# KiCad board universal_interface_adapter.kicad_pcb (continued)
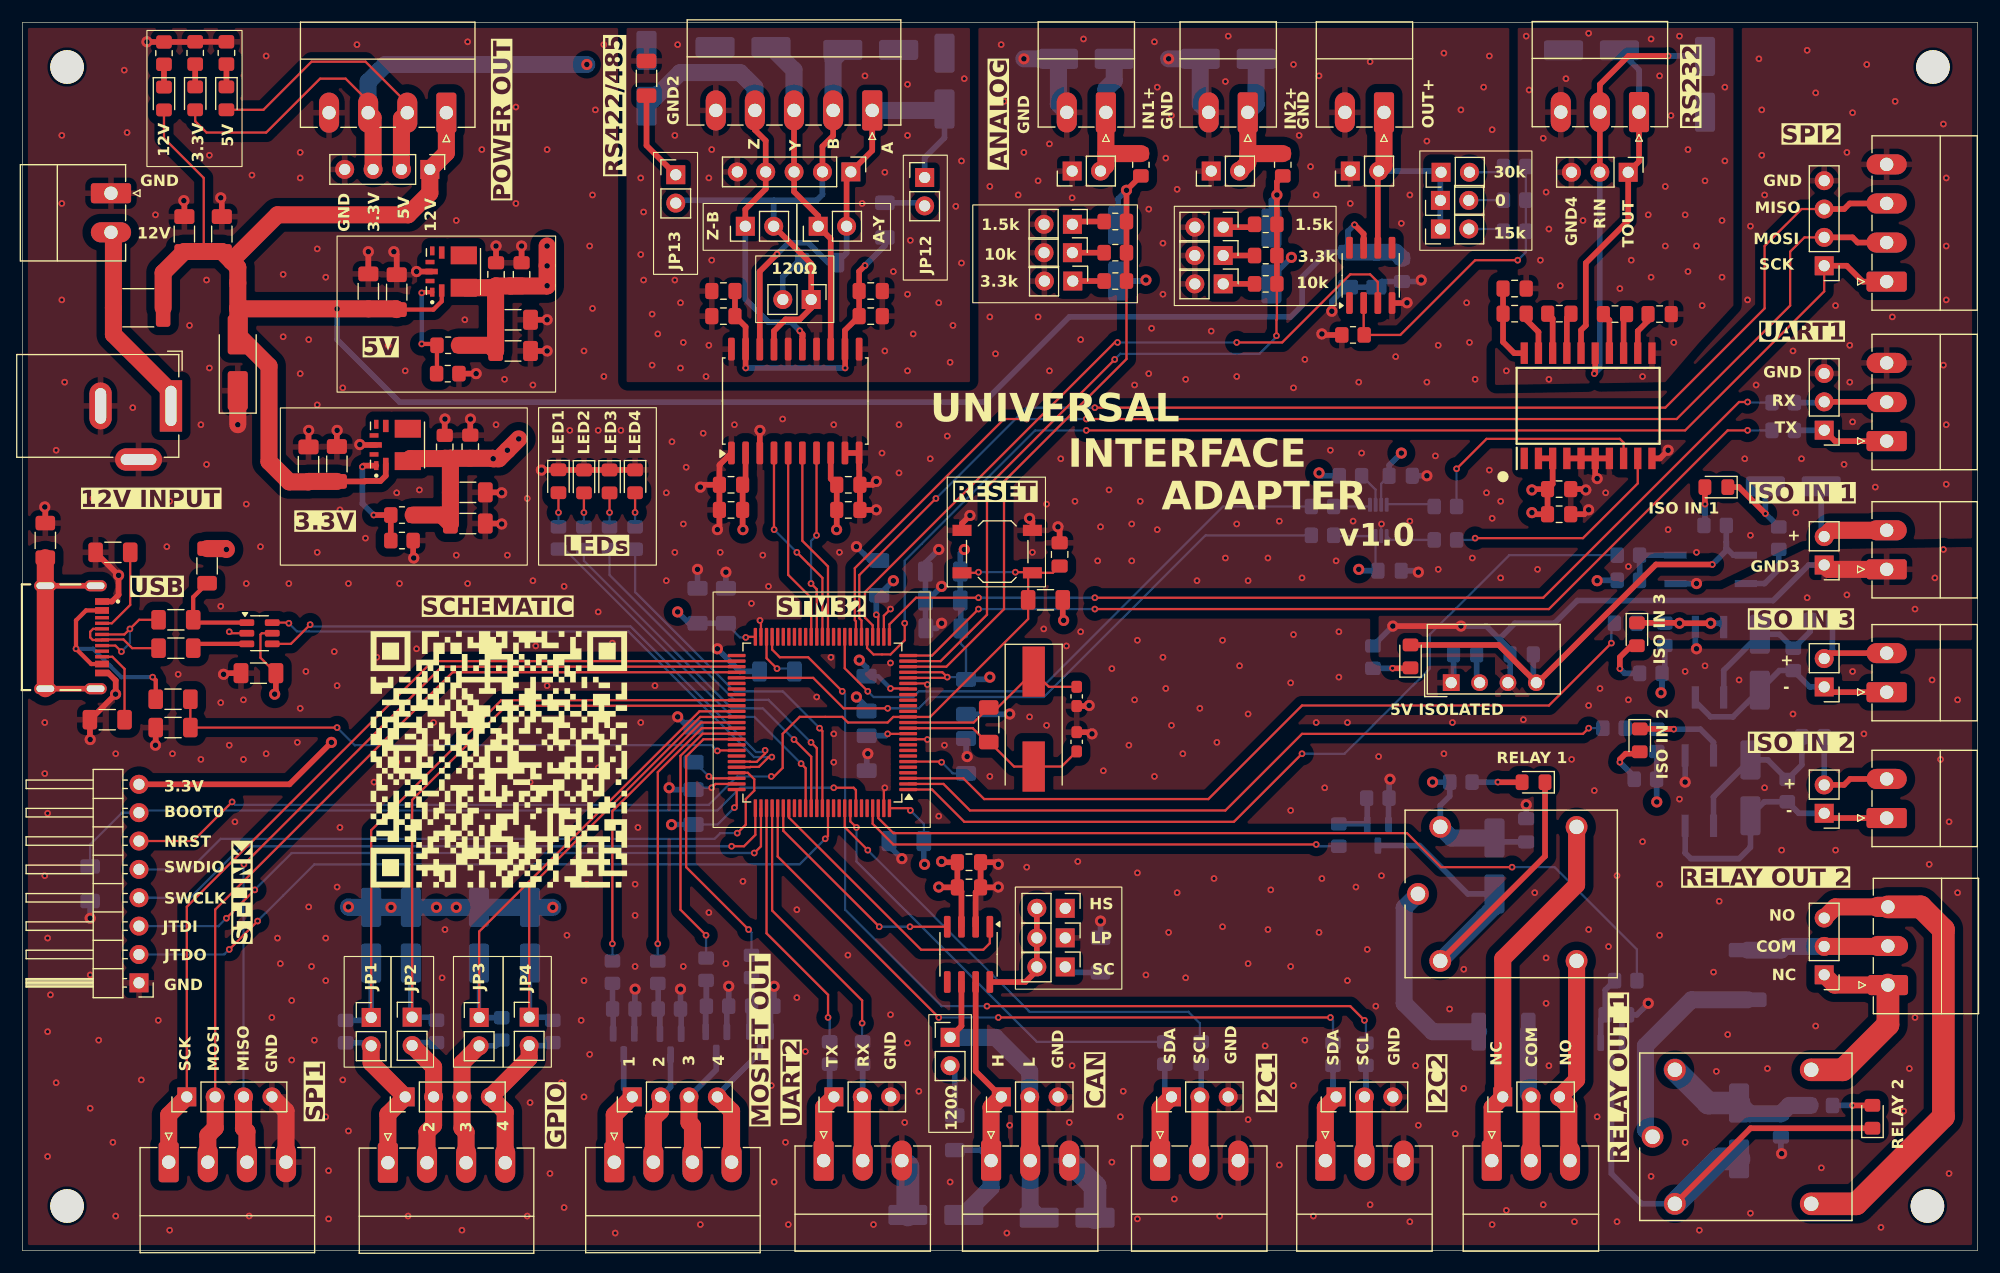
[diagram p0: board, top side]
## Routing (per net, layer and track width the routed paths; a pad name or vN(x,y) marks a point on that pad's centre or on a via; arc(x,y) is an arc through that point) (continued)
GND2:
  vias: v1(55.35,96.07) v1(55.35,89.21) v1(55.6,93.02) v1(55.6,86.92) v1(56.36,83.87) v1(56.36,79.3) v1(56.87,82.1) v1(58.4,99.88) v1(58.4,86.92) v1(58.65,108) v1(58.9,84.89) v1(58.9,79.05) v1(59.16,81.33) v1(61.19,78.29) v1(61.44,96.07) v1(61.44,81.08) v1(61.7,98.61) v1(61.7,88.7) v1(75.16,93.78) v1(75.41,105.21) v1(77.19,96.57) v1(77.19,80.57) v1(77.95,87.68) v1(79.22,104.45) v1(79.22,99.88) v1(79.22,85.65) v1(79.22,78.79) v1(79.48,90.48) v1(79.73,82.1) v1(82.02,84.89) v1(83.03,79.56) v1(83.29,82.86) v1(83.54,93.53) v1(84.05,97.59) v1(84.05,88.45) v1(84.3,104.96)
GND3: length 54.5
  Top w0.508: v2(128.75,55.93) v2(122.66,55.93)
  Top w1.524: J12.1 161.66,61.01 J11.1
  Bottom w0.508: U12.3 133.15,51.06 C58.2 133.15,53.82 132.18,54.79 ; 132.18,54.79 133.58,56.19 137.14,56.19 139.17,58.22 156.69,58.22 159.88,61.41 J11.1 ; 132.18,54.79 131.04,55.93 v2(128.75,55.93) ; v2(122.66,55.93) R77.2
  vias: v1(159.74,58.47) v1(163.3,58.73) v1(169.39,57.46) v1(171.17,60.25) v1(171.93,62.79)
GND4:
  vias: v1(132.82,78.79) v1(134.6,108.77) v1(134.85,103.94) v1(135.87,88.7) v1(136.12,99.62) v1(136.37,94.8) v1(136.63,91.49) v1(136.63,78.03) v1(137.64,86.41) v1(138.15,104.96) v1(139.68,92.26) v1(140.18,109.02) v1(142.98,86.16) v1(143.99,88.7) v1(145.01,78.29) v1(145.52,92.76) v1(145.77,108.51) v1(145.77,87.18) v1(146.53,105.21) v1(147.04,95.3) v1(147.04,89.97) v1(147.55,101.65) v1(147.8,81.33) v1(148.31,108.77) v1(148.82,92.76) v1(149.07,98.61) v1(149.07,87.68) v1(149.84,89.97) v1(150.34,84.64) v1(150.6,95.81) v1(152.12,92.26) v1(152.12,87.18) v1(152.38,104.19) v1(152.38,97.59)
/Analog_in_1: length 58
  Top w0.203: U2.23 82.7,52.3 87.86,57.46 87.86,68.89 98.82,79.85 R66.2
  Top w0.508: R66.2 R68.2 R63.2 v2(98.82,94.96) R62.1
  Bottom w0.508: v2(98.82,94.96) 98.07,94.21 D29.2
/Analog_in_2: length 69.5
  Top w0.203: R69.2 112.28,83.4 112.24,83.37 v1(112.24,81.93) ; v1(97.77,79.81) 86.34,68.38 86.34,56.95 82.18,52.8 U2.24
  Top w0.508: R69.2 R67.2 R65.2 v2(112.28,94.54) 112.28,95.72 R64.1
  Bottom w0.203: v1(112.24,81.93) 112.24,81.84 110.72,80.32 98.27,80.32 v1(97.77,79.81)
  Bottom w0.508: D30.2 111.79,94.05 v2(112.28,94.54)
/Analog_out_1: length 64.1
  Top w0.203: U2.29 76.1,56.01 75.41,56.7 75.41,58.98 97.77,81.33 v1(98.02,81.33) ; v1(108.69,81.33) 112.75,81.33 118.85,87.43 120.63,87.43 121.32,86.74 U9.3
  Bottom w0.203: v1(98.02,81.33) v1(108.69,81.33)
/BOOT0: length 74.3
  Top w0.203: U2.94 74.6,41.25 74.4,41.46 v1(72.62,41.46)
  Bottom w0.203: R9.2 6.06,36.37 8.92,39.22 J1.7 10.64,39.42 62.21,39.42 64.24,41.46 v1(72.62,41.46)
/CAN/CAN_H: length 26.8
  Top w0.508: U6.7 85.32,16.07 J18.1
  Top w1.524: J17.1 86.7,12.85 J18.1
  Bottom w0.508: J17.1 85.76,9 R49.1
  Bottom w1.524: J17.1 86.7,5.65 D19.1
/CAN/CAN_L: length 27.2
  Top w0.508: U6.6 84.05,20.12 JP8.1
  Top w1.524: 90.16,13.77 90.16,8.11 J17.2
  Bottom w1.524: 90.16,13.77 90.16,16.04 87.1,19.1 JP8.1 ; D20.2 90.2,3.75 J17.2
/CAN_D: length 25.4
  Top w0.203: U6.1 86.59,27.54 86,26.95 80.44,26.95 68.6,38.79 U2.82
/CAN_R: length 20.3
  Top w0.203: v1(79.44,29.01) U6.4 ; v1(76.69,29.01) 68.1,37.6 U2.81
  Bottom w0.203: v1(76.69,29.01) v1(79.44,29.01)
/Crystal+: length 17.1
  Top w0.203: C1.2 93.01,43.35 Y1.2 88.76,43.35 86.56,45.55 R6.1 86.31,45.55 85.07,46.79 80.24,46.79 80.23,46.8 U2.12
/Crystal-: length 17.5
  Top w0.203: U2.13 85.14,47.3 R6.2 87.31,48.65 Y1.1 91.87,50.5 C2.2
/DN: length 8.2
  Top w0.203: R3.2 9.83,53.96 9.05,54.73 7.18,54.73 J2.A7 6.3,54.68 6.07,54.92 6.07,55.43 6.33,55.68 J2.B7
/DP: length 9.9
  Top w0.203: R2.1 10.45,56.5 v1(9.63,55.68) 9.13,55.18 J2.A6 ; J2.B6 8.33,54.18 v1(8.87,53.65)
  Bottom w0.203: v1(8.87,53.65) 9.63,54.41 v1(9.63,55.68)
/GPIO + LED/GPIO_1_CONN: length 14.8
  Top w1.524: J15.1 32.71,12.22 J16.1 31.22,16.82 JP1.2
  Bottom w0.508: R40.1 30.95,18.62 JP1.2
/GPIO + LED/GPIO_2_CONN: length 13.8
  Top w1.524: J15.2 36.21,10.64 36.81,11.23 J16.2 36.81,16.45 JP2.2
  Bottom w0.508: R41.1 35.15,18.64 JP2.2
/GPIO + LED/GPIO_3_CONN: length 13.5
  Top w1.524: JP3.2 39.35,16.8 J16.3 39.35,10.98 39.71,10.61 J15.3
  Bottom w0.508: R44.1 42.38,18.34 JP3.2
/GPIO + LED/GPIO_4_CONN: length 14.7
  Top w1.524: JP4.2 45.36,17.24 J16.4 43.21,12.44 J15.4
  Bottom w0.508: JP4.2 47.21,18.37 R45.1
/GPIO + LED/MOS_OUT_1: length 10.6
  Top w1.524: J14.1 52.98,12.16 J13.1
  Bottom w0.508: Q3.3 53.82,14.53 J14.1
/GPIO + LED/MOS_OUT_2: length 10.3
  Top w1.524: J14.2 57.13,12.5 56.48,11.85 J13.2
  Bottom w0.508: Q4.3 58.01,14.66 J14.2
/GPIO + LED/MOS_OUT_3: length 10.9
  Top w1.524: J14.3 59.67,11.48 59.98,11.17 J13.3
  Bottom w0.508: Q5.3 62.1,16.21 J14.3
/GPIO + LED/MOS_OUT_4: length 11.9
  Top w1.524: J14.4 63.48,12.5 J13.4
  Bottom w0.508: Q6.3 62.21,13.94 J14.4
/GPIO_1: length 61.6
  Top w0.203: U2.59 42.87,49.3 31.22,37.65 JP1.1
  Bottom w0.508: R40.2 30.95,20.62 JP1.1 D11.2
/GPIO_2: length 59.2
  Top w0.203: JP2.1 34.88,40.37 43.31,48.8 U2.60
  Bottom w0.508: D12.2 34.77,21.02 JP2.1 36.79,20.91 R41.2
/GPIO_3: length 45.8
  Top w0.203: U2.61 60.6,48.3 40.88,28.58 JP3.1
  Bottom w0.381: D14.2 40.87,20.9 JP3.1
  Bottom w0.508: JP3.1 40.9,20.87 R44.2
/GPIO_4: length 43.6
  Top w0.203: U2.62 60.67,47.8 45.36,32.48 JP4.1
  Bottom w0.381: JP4.1 45.44,20.99 D15.2
  Bottom w0.508: R45.2 47.2,20.91 JP4.1
/I2C1_SCL: length 42.5
  Top w0.2: v1(75.67,35.87) 73.6,37.93 U2.92
  Bottom w0.2: v1(75.67,35.87) 90.15,21.39 104.37,21.39 105.39,20.37
  Bottom w0.203: R84.2 105.39,18.82 105.39,20.37
/I2C1_SDA: length 39.3
  Top w0.2: v1(74.65,37.9) 74.1,38.45 U2.93
  Bottom w0.2: v1(74.65,37.9) 74.65,34.85 90.8,18.7 R83.2
/I2C2_SCL: length 81.3
  Top w0.203: v1(120.12,20.63) 118.85,21.9 v1(86.34,21.9) ; v1(73.38,50.09) 70.33,53.14 67.79,53.14 67.1,53.83 U2.47
  Bottom w0.203: v1(73.38,50.09) 73.64,49.84 73.64,30.53 82.27,21.9 v1(86.34,21.9) ; R86.2 120.25,20.49 v1(120.12,20.63)
/I2C2_SDA: length 62.1
  Top w0.203: v1(82.02,20.88) 67.6,35.3 U2.80 ; v1(87.35,20.88) v1(117.07,20.88)
  Bottom w0.203: v1(117.07,20.88) 117.3,20.65 R85.2 ; v1(82.02,20.88) v1(87.35,20.88)
/Isolated_input_1: length 76.3
  Top w0.203: v1(114.53,44.5) 108.43,38.41 84.3,38.41 81.41,41.3 U2.1
  Bottom w0.203: R31.1 133.07,62.28 125.96,55.17 125.96,52.12 118.34,44.5 v1(114.53,44.5)
/Isolated_input_2: length 66.2
  Top w0.203: v1(140.18,46.79) 139.68,46.28 114.53,46.28 107.67,39.42 84.81,39.42 82.44,41.8 U2.2
  Bottom w0.203: v1(140.18,46.79) R26.1
/Isolated_input_3: length 71.4
  Top w0.203: U2.3 84.22,42.3 86.08,40.44 106.15,40.44 114.53,48.82 136.63,48.82 v1(142.22,54.41)
  Bottom w0.203: R27.1 142.22,55.92 v1(142.22,54.41)
/JTDI: length 62
  Top w0.203: v1(65.51,35.61) 66.1,36.21 U2.77 ; v1(18.26,29.77) v1(20.8,32.31)
  Bottom w0.203: v1(20.8,32.31) 24.11,35.61 v1(65.51,35.61) ; v1(18.26,29.77) 17.56,29.06 J1.3
/JTDO: length 68.6
  Top w0.203: v1(71.86,36.88) 72.1,37.13 U2.89 ; v1(21.06,29.52) v1(18.52,26.98)
  Bottom w0.203: J1.2 18.07,26.52 v1(18.52,26.98) ; v1(71.86,36.88) 69.57,34.6 26.14,34.6 v1(21.06,29.52)
/LED_1: length 33.8
  Top w0.203: v1(69.7,43.61) 70.1,43.21 U2.85
  Bottom w0.203: v1(69.7,43.61) 65.51,47.81 63.53,47.81 48.51,62.83 R42.2
/LED_2: length 33.3
  Top w0.203: v1(69.06,45.77) 70.6,44.23 U2.86
  Bottom w0.203: R43.2 50.26,61.78 63.48,48.57 66.27,48.57 v1(69.06,45.77)
/LED_3: length 32.7
  Top w0.203: v1(70.59,45.52) 71.1,45 U2.87
  Bottom w0.203: R46.2 52.55,60.51 63.73,49.33 66.78,49.33 v1(70.59,45.52)
/LED_4: length 32.7
  Top w0.203: U2.88 71.6,46.54 v1(71.35,46.79)
  Bottom w0.203: R47.2 54.84,58.98 63.73,50.09 68.05,50.09 v1(71.35,46.79)
/MOSFET_OUT_1: length 27.8
  Top w0.203: v1(52.81,27.49) 52.81,39.36 60.75,47.3 U2.63
  Bottom w0.203: v1(52.81,27.49) R32.1
/MOSFET_OUT_2: length 25.6
  Top w0.203: v1(56.87,27.49) 56.87,42.85 60.82,46.8 U2.64
  Bottom w0.203: v1(56.87,27.49) R33.1
/MOSFET_OUT_3: length 24.9
  Top w0.203: U2.65 60.89,46.3 58.9,44.31 58.9,30.53 v1(61.19,28.25)
  Bottom w0.203: v1(61.19,28.25) R34.1
/MOSFET_OUT_4: length 25.4
  Top w0.203: U2.66 60.96,45.8 59.41,44.25 59.41,34.34 v1(65,28.76)
  Bottom w0.203: v1(65,28.76) 65.25,28.5 R35.1
/NRST: length 103.6
  Top w0.2: SW1.1 90.02,60.32 R8.1 90.02,56.57 81.25,47.8 U2.14 77.95,47.8 77.45,47.3 73.89,47.3 73.38,47.81 69.57,47.81 68.05,46.28 68.05,43.23 67.29,42.47 v1(67.03,42.47) ; SW1.1 92.23,60.7 C8.2 ; SW1.1 90.34,60.76 v1(88.88,60.76) ; v1(18.77,40.19) 15.27,36.68 J1.6 ; SW1.1 85.52,60.7 v1(85.57,60.76)
  Bottom w0.2: v1(85.57,60.76) v1(88.88,60.76) ; v1(67.03,42.47) 63.98,42.47 61.44,39.93 19.03,39.93 v1(18.77,40.19)
/RELAY_OUT_1: length 43.9
  Top w0.2: v1(115.8,36.38) 77.95,36.38 76.1,38.23 U2.97
  Bottom w0.2: v1(115.8,36.38) 115.96,36.22 R12.1
/RELAY_OUT_2: length 77
  Top w0.2: v1(133.33,34.34) 126.98,34.34 123.93,37.39 77.95,37.39 76.6,38.74 U2.98
  Bottom w0.2: v1(133.33,34.34) 137.14,34.34 144.5,26.98 R13.1
  Bottom w0.203: 144.5,24.69 R13.1
/RS232_RxD: length 52.7
  Top w0.2: U2.34 73.6,52.16 v1(75.67,50.09)
  Bottom w0.2: R50.2 107.46,66.65 90.91,50.09 80.24,50.09 79.73,49.58 76.18,49.58 v1(75.67,50.09)
/RS232_TxD: length 59
  Top w0.2: U2.55 70.78,51.3 73.51,48.57 v1(77.45,48.57)
  Bottom w0.2: R51.1 105.89,64.06 91.42,49.58 81.26,49.58 80.24,48.57 v1(77.45,48.57)
/RS422 + RS485 + RS232/A: length 44
  Top w0.508: JP10.2 73.77,96.23 J22.1 76.06,98.52 J20.1 ; U8.18 66,87.69 v1(67.55,89.24)
  Bottom w0.508: v1(67.55,89.24) 68.56,90.26 70.34,90.26 72.12,88.48 72.91,88.48 73.77,89.34 JP10.2 ; JP12.1 80.75,97.88 82.53,99.65 D23.2
  Bottom w1.524: J20.1 82.41,102.11 D23.2
/RS422 + RS485 + RS232/B: length 44
  Top w0.508: J20.2 72.56,99.85 71.61,98.89 J22.2 ; U8.17 67.27,82.36 68.31,83.4 69.58,83.4 70.6,84.42 JP11.1 70.6,88.38 JP9.2
  Bottom w0.508: J22.2 71.61,94.57 71.1,94.07 67.29,94.07 ; 67.29,94.07 67.25,94.02 JP9.2 ; 67.29,94.07 58.73,94.07 JP13.2
  Bottom w1.524: D24.2 72.56,106.66 J20.2
/RS422 + RS485 + RS232/RIN: length 38.5
  Top w0.508: v1(147.3,106.99) 143.74,106.99 141.19,104.44 J19.2 141.19,96.58 J21.2 ; v1(140.69,78.54) 140.77,78.62 IC1.15
  Bottom w0.508: v1(147.3,106.99) 150.56,106.99 D25.2 ; v1(140.69,78.54) 141.19,79.03 J21.2
/RS422 + RS485 + RS232/TOUT: length 30
  Top w0.508: J19.1 144.69,97.54 J21.1 143.72,92.24 139.93,88.45 139.93,82.86 139.5,82.43 IC1.16
  Bottom w0.508: D26.2 144.69,105.74 J19.1
/RS422 + RS485 + RS232/Y: length 29.3
  Top w0.508: U8.13 72.35,90.62 JP10.1 71.23,92.67 69.07,94.83 J22.3 69.06,96.61 J20.3
  Bottom w1.524: D21.2 69.06,105.72 J20.3
/RS422 + RS485 + RS232/Z: length 39.4
  Top w0.508: v1(69.58,82.38) 69.58,82.34 69.83,82.08 69.83,81.87 69.81,81.85 U8.15 ; JP9.1 64.71,93.26 66.53,95.08 J22.4 66.53,99.4 65.56,100.37 J20.4
  Bottom w0.508: JP9.1 64.71,85.22 66.78,83.14 68.82,83.14 v1(69.58,82.38)
  Bottom w1.524: J20.4 65.56,104.18 64.25,105.5 58.87,105.5 D22.2
/RS485_DE: length 17.4
  Top w0.203: U8.6 69.81,63.57 72.1,61.28 U2.37
/RS485_RE: length 17.3
  Top w0.203: U2.40 70.6,58.46 68.54,60.52 U8.5
/RS485_RxD: length 18.3
  Top w0.203: U8.4 67.27,64.58 v1(67.29,64.57) ; v1(69.32,62.54) 71.6,60.25 U2.38
  Bottom w0.203: v1(69.32,62.54) v1(67.29,64.57)
/RS485_TxD: length 16.9
  Top w0.203: v1(70.59,59.74) 71.1,59.24 71.1,58.73 71.1,58.72 U2.39 ; v1(71.08,64.06) U8.7
  Bottom w0.203: v1(70.59,59.74) 70.59,63.55 71.08,64.05 v1(71.08,64.06)
/SPI1_MISO: length 78.2
  Top w0.203: U2.53 37.53,52.3 v1(19.83,34.6)
  Top w1.524: J39.3 19.8,10.99 19.79,10.98 20.1,10.67 J33.3
  Bottom w0.203: J39.3 19.8,34.56 v1(19.83,34.6)
/SPI1_MOSI: length 78.4
  Top w0.203: J39.2 17.26,30.54 38.51,51.8 U2.54
  Top w1.524: J33.2 16.6,10.33 17.26,10.99 J39.2
/SPI1_SCK: length 81.9
  Top w0.203: J39.1 14.72,30.8 36.72,52.8 U2.52
  Top w1.524: J33.1 13.1,12.15 J39.1
/SPI2_MISO: length 114.6
  Top w0.2: J40.3 159.24,93.28 155.93,89.97 155.93,84.38 147.04,75.49 v1(95.99,75.49) ; U2.31 75.1,56.44 74.91,56.63 74.91,60.51 v1(81.76,67.36)
  Top w0.508: J34.3 163.55,93.78 163.05,93.28 J40.3
  Bottom w0.2: v1(95.99,75.49) 89.89,75.49 v1(81.76,67.36)
/SPI2_MOSI: length 113.8
  Top w0.2: v1(89.89,74.48) 87.86,74.48 74.5,61.12 74.5,56.47 74.6,56.37 U2.32 ; v1(95.23,74.48) 148.06,74.48 158.22,84.64 158.22,89.46 159.5,90.74 J40.2
  Top w0.508: J34.2 164.26,90.28 163.8,90.74 J40.2
  Bottom w0.2: v1(89.89,74.48) v1(95.23,74.48)
/SPI2_SCK: length 113
  Top w0.2: v1(95.23,73.46) 148.82,73.46 161.27,85.91 J40.1 ; v1(78.97,56.19) 78.97,54.66 77.7,53.39 76.18,53.39 75.6,53.97 U2.30
  Top w0.508: J40.1 163.29,88.2 164.71,86.78 J34.1
  Bottom w0.2: v1(78.97,56.19) 78.97,61.78 90.65,73.46 v1(95.23,73.46)
/SWCLK: length 59.9
  Top w0.203: v1(63.48,36.21) 64.59,36.21 65.6,37.23 U2.76
  Bottom w0.203: J1.4 15.02,31.6 19.63,36.21 v1(63.48,36.21)
/SWDIO: length 62.2
  Top w0.203: U2.72 64.93,42.8 65.51,42.22 65.51,41.2 64.75,40.44 64.75,38.15 v1(63.98,37.39)
  Bottom w0.203: v1(63.98,37.39) 62.46,37.39 61.95,36.88 17.76,36.88 15.02,34.14 J1.5
/UART1_RX: length 88.4
  Top w0.203: v1(95.99,58.47) 136.12,58.47 153.65,76 v1(154.41,76) ; U2.26 77.6,56.09 79.99,58.47 v1(85.57,58.47)
  Bottom w0.203: R80.2 154.46,75.94 v1(154.41,76) ; v1(95.99,58.47) v1(85.57,58.47)
/UART1_TX: length 85.7
  Top w0.203: v1(85.57,57.46) 81.41,53.3 U2.25 ; v1(154.41,73.46) 152.63,73.46 136.63,57.46 v1(95.99,57.46)
  Bottom w0.203: v1(154.41,73.46) R79.2 ; v1(95.99,57.46) v1(85.57,57.46)
/UART2_RX: length 24.3
  Top w0.203: U2.79 67.1,30.46 75.16,22.41 v1(75.16,20.37)
  Bottom w0.203: R82.2 75.16,18.74 v1(75.16,20.37)
/UART2_TX: length 23.3
  Top w0.203: U2.78 66.6,28.42 72.11,22.91 v1(72.11,20.88)
  Bottom w0.203: v1(72.11,20.88) 72.25,20.74 R81.2
/USB_DN: length 5
  Top w0.381: R3.1 15.68,54.34 U1.3
/USB_DP: length 8.7
  Top w0.381: 16.53,59.77 15.29,58.53 R2.2 15.54,56.24 U1.1
/USB_uC_DN: length 53
  Top w0.2: U2.70 65.13,43.8 65.15,43.77 65.73,43.77 66.48,44.52 v1(66.48,44.8)
  Top w0.203: U1.4 24.04,54.34 25.63,55.93 25.63,56.19 v1(25.76,56.06)
  Bottom w0.2: v1(66.48,44.8) 66.33,44.65 65.68,44.65 54.43,55.9 25.91,55.9 v1(25.76,56.06)
/USB_uC_DP: length 53.2
  Top w0.2: U2.71 65.13,43.3 65.15,43.32 65.92,43.32 66.8,44.2 v1(67.08,44.2)
  Top w0.203: v1(23.85,56.19) 23.8,56.24 U1.6
  Bottom w0.2: 25.63,55.45 54.24,55.45 65.49,44.2 v1(67.08,44.2)
  Bottom w0.203: v1(23.85,56.19) 24.59,55.45 25.63,55.45
V_RS485: length 29.4
  Top w0.508: v1(75.42,88.22) 74.89,87.69 C33.1 C31.1 73.62,82.42 U8.12 73.64,80.72 v1(73.64,79.05) ; C34.1 C32.1 64.73,82.74 U8.19 64.73,79.06 v1(64.75,79.05)
  Bottom w0.508: v1(75.42,88.22) 77.2,90 R55.1 ; v1(64.75,79.05) v1(73.64,79.05)
V_USB: length 18.1
  Top w0.381: J2.A4_B9 5.7,57.33 4.8,56.44 v1(4.8,53.9) 6.17,52.53 J2.B4_A9 ; v1(11.66,51.36) 11.94,51.09 R10.1
  Bottom w0.381: v1(11.66,51.36) 8.87,51.36 6.33,53.9 v1(4.8,53.9)
Net-(D1-A): length 4.5
  Top w0.508: v1(132.06,41.96) 132.07,41.95 D1.2
  Bottom w0.508: v1(132.06,41.96) R14.1
Net-(D1-K): length 40.1
  Top w0.508: D1.1 136.28,35.32 K1.C2
  Bottom w0.508: Q1.3 125.04,36.28 129.37,31.95 D3.2
  Bottom w1.524: D3.2 131.75,30.8 K1.C2
Net-(D2-A): length 3.6
  Top w0.508: D2.2 165.57,13.01 v1(163.81,13.01)
  Bottom w0.508: R15.1 v1(163.81,13.01)
Net-(D2-K): length 44.5
  Top w0.508: K2.C2 154.67,10.97 D2.1
  Bottom w0.508: Q2.3 142.22,6.91 144.93,4.2 K2.C2
  Bottom w2.032: D4.2 151.93,8.22 K2.C2
Net-(D5-A): length 25.1
  Top w0.508: J9.1 161.69,38.74 J7.1
  Bottom w0.508: U3.2 148.82,35.61 149.33,35.11 153.65,35.11 154.66,36.12 D5.2 155.91,40.2 R20.1 159,39.17 J7.1
Net-(D5-K): length 15.7
  Bottom w0.508: R18.2 159.27,43.5 R20.2 156.22,43.95 D5.1 151.36,40.65 U3.1
Net-(D6-A): length 20.6
  Top w0.508: J10.1 161.74,50.01 J8.1
  Bottom w0.508: J8.1 159.97,50.48 R21.1 157.25,51.95 D6.2 153.11,47.81 151.11,47.81 149.73,49.18 U4.2
Net-(D6-K): length 13.6
  Bottom w0.508: U4.1 152.27,51.97 D6.1 157.25,55.2 R21.2 158.52,53.95 160,55.43 R19.2
Net-(D7-A): length 4.4
  Top w0.508: v1(142.98,43.74) 142.98,44 143.49,44.5 144.58,44.5 D7.2
  Bottom w0.508: v1(142.98,43.74) 144.26,42.46 R24.1
Net-(D7-K): length 12.7
  Top w0.508: D7.1 147.78,46.72 v1(147.8,46.7)
  Bottom w0.508: R26.2 146.19,46.79 R22.2 v1(147.8,46.7) 150.18,46.7 151.36,45.52 U3.4
Net-(D8-A): length 4.9
  Top w0.508: D8.2 144,54.17 142.98,53.15 v1(142.98,52.12)
  Bottom w0.508: v1(142.98,52.12) 143.4,51.7 R25.1
Net-(D8-K): length 12
  Top w0.508: v2(151.11,56.19) v2(148.31,56.19) 148.27,56.22 D8.1
  Bottom w0.508: R23.2 147,56.4 ; R23.2 148.3,56.2 v2(148.31,56.19) ; R23.2 146.99,56.19 R27.2 144.5,56.2 ; v2(151.11,56.19) 151.94,56.19 U4.4
Net-(D9-K): length 10.4
  Top w1.524: J11.2 161.83,64.51 J12.2
  Bottom w0.508: D9.1 161,64.21 J11.2
Net-(D10-A): length 3.5
  Top w0.508: D10.2 150.59,66.86 v1(150.6,66.86)
  Bottom w0.508: v1(150.6,66.86) 150.6,65.04 R28.1
Net-(D10-K): length 8.5
  Top w0.508: v1(156,66.01) 153.63,68.38 152.64,68.38
  Bottom w0.508: D9.2 v1(156,66.01) R29.1
Net-(D13-A): length 3.1
  Top w0.203: v1(47.98,66.1) 47.98,67.88
  Bottom w0.203: R42.1 v1(47.98,66.1)
Net-(D16-A): length 3.1
  Top w0.203: v1(50.26,66.1) 50.26,67.85 D16.2
  Bottom w0.203: R43.1 v1(50.26,66.1)
Net-(D17-A): length 3.1
  Top w0.203: v1(52.55,66.1) D17.2
  Bottom w0.203: R46.1 v1(52.55,66.1)
Net-(D18-A): length 3.1
  Top w0.203: v1(54.84,66.11) D18.2
  Bottom w0.203: R47.1 v1(54.84,66.11)
Net-(D27-A2): length 13.7
  Top w1.524: 96.98,98.21 96.98,97.16 J25.2 ; 96.98,98.21 97.01,98.25 R62.2 ; 96.98,98.21 J27.1
  Bottom w1.524: J27.1 96.98,104.01 97.73,104.76 D27.2
Net-(D28-A2): length 13.8
  Top w1.524: 109.68,98.21 109.68,97.41 J26.2 ; 109.68,98.21 109.72,98.25 R64.2 ; 109.68,98.21 J28.1
  Bottom w1.524: J28.1 110.43,102.68 D28.2
Net-(D32-K): length 2
  Top w0.508: D32.1 R74.1
Net-(D33-K): length 2
  Top w0.508: R75.1 D33.1
Net-(D34-K): length 2
  Top w0.508: D34.1 R76.1
Net-(D35-K): length 3.4
  Top w0.508: 124.24,52.19 124.2,52.16 v1(122.63,52.16)
  Bottom w0.508: R77.1 v1(122.63,52.16)
Net-(F1-Pad1): length 18
  Bottom w1.524: K1.COM 123.67,30.72 123.67,22.15 126.21,19.61 F1.1
Net-(F2-Pad1): length 19.3
  Bottom w1.524: F2.1 149.39,22.47 145.26,18.34 145.26,10.84 K2.COM
Net-(IC1-C1+): length 3.7
  Top w0.508: C35.1 136.96,83.47 IC1.18
Net-(IC1-C1-): length 3.7
  Top w0.508: C35.2 138.23,83.54 IC1.17
Net-(IC1-C2+): length 3.7
  Top w0.508: C36.1 142.04,83.34 IC1.14
Net-(IC1-C2-): length 3.6
  Top w0.508: IC1.13 143.31,83.61 C36.2
Net-(IC1-ROUT): length 21
  Top w0.203: v1(128.36,70.02) 131.04,72.7 142.98,72.7 143.31,72.36 IC1.8
  Bottom w0.203: v1(128.36,70.02) R53.1
Net-(IC1-TIN): length 20.6
  Top w0.203: IC1.9 144.58,68.71 139.68,63.81 v1(130.02,63.81)
  Bottom w0.203: R54.2 129.86,63.65 v1(130.02,63.81)
Net-(IC1-V+): length 4
  Top w0.508: IC1.19 135.69,82.27 134.6,83.37 C38.2
Net-(IC1-V-): length 3.9
  Top w0.508: C37.1 145.5,83.27 144.58,82.35 IC1.12
Net-(IC1-VISO): length 7.1
  Top w0.508: C39.1 C38.1 132.52,81.38 133.52,80.37 IC1.20
Net-(J2-CC1): length 7.9
  Top w0.203: J2.A5 8.01,56.18 9.65,57.83 R4.1
Net-(J2-CC2): length 7
  Top w0.203: R7.1 9.15,52.1 8.06,53.18 J2.B5
Net-(J2-SHIELD-PadS1): length 20.7
  Top w0.508: J2.S3 J2.S1 ; J2.S4 J2.S2
  Top w1.524: R5.1 J2.S1 J2.S2
Net-(J3-Pin_1): length 33
  Top w1.524: K1.NC 139.1,32.76 132.5,26.15 J5.1 131.55,12.82 131.55,8.1 J3.1
Net-(J3-Pin_2): length 11.7
  Top w1.524: J5.2 135.03,8.09 J3.2
  Bottom w1.524: F1.2 134.79,14.02 J5.2
Net-(J3-Pin_3): length 18.9
  Top w1.524: J3.3 138.41,8.17 138.41,12.94 137.57,13.77 139.1,15.3 K1.NO
Net-(J4-Pin_1): length 18.2
  Top w1.524: J4.1 162.19,23.79 J6.1
  Top w2.032: K2.NC 162.93,16.2 166.97,20.23 J4.1
Net-(J4-Pin_2): length 12.7
  Top w0.508: 166.93,27.25 166.97,27.29
  Top w1.524: J6.2 166.93,27.25
  Bottom w1.524: F2.2 157.39,26.92 157.72,27.25 J6.2
Net-(J4-Pin_3): length 43.7
  Top w1.524: J6.3 162.27,30.79 166.97,30.79
  Top w2.032: 166.97,30.79 169.9,30.79 171.93,28.76 171.93,11.99 164.14,4.2 K2.NO
Net-(J7-Pin_2): length 10.1
  Top w0.508: J9.2 163.58,42.24 163.04,41.71 J7.2
  Bottom w0.508: R18.1 J7.2
Net-(J10-Pin_2): length 9.5
  Top w0.508: J10.2 161.75,53.51 J8.2
  Bottom w0.508: R19.1 162,53.76 J8.2
Net-(J23-Pin_1): length 23.1
  Top w0.203: 121.32,96.6 J24.2
  Top w0.508: U9.6 121.32,96.6
  Top w1.524: J24.2 121.87,97.16 J23.1
  Bottom w0.203: 126.92,96.52 JP14.1
  Bottom w0.508: JP14.1 126.87,96.68 J24.2 ; JP15.1 JP16.1 126.92,96.52
Net-(J29-Pin_2): length 17.8
  Top w1.524: J30.1 13.3,76.9 8.15,82.05 F3.1 8.15,90.98 J29.2
Net-(J35-Pin_1): length 8.7
  Top w0.508: J35.1 162.24,72.5 J37.1
  Bottom w0.508: J37.1 161.25,73.46 R79.1
Net-(J35-Pin_2): length 8.3
  Top w0.508: J35.2 166.84,76.01 J37.2
  Bottom w0.508: R80.1 161.2,75.94 J37.2
Net-(J36-Pin_1): length 9.2
  Top w1.524: J36.1 71.72,12.85 J38.1
  Bottom w0.508: J38.1 72.25,14.15 R81.1
Net-(J36-Pin_2): length 8.7
  Top w1.524: J38.2 75.17,8.11 J36.2
  Bottom w0.508: R82.1 75.2,13.8 J38.2
Net-(J41-Pin_1): length 9.3
  Top w1.524: J41.1 101.83,12.75 J43.1
  Bottom w0.508: J43.1 102.25,14.36 R83.1
Net-(J41-Pin_2): length 8.7
  Top w1.524: J41.2 105.39,8.12 J43.2
  Bottom w0.508: R84.1 105.5,13.89 J43.2
Net-(J42-Pin_1): length 9
  Top w1.524: J42.1 116.62,12.81 J44.1
  Bottom w0.508: J44.1 117.3,14.04 R85.1
Net-(J42-Pin_2): length 8.6
  Top w1.524: J44.2 J42.2
  Bottom w0.508: J44.2 120.25,13.91 R86.1
Net-(JP5-B): length 10.2
  Top w0.508: U6.8 89.77,24.06 90.8,25.09 JP7.2 JP6.2 JP5.2
Net-(JP7-A): length 3.4
  Bottom w0.508: JP7.1 93.83,24.92 R48.1
Net-(JP8-B): length 4.6
  Bottom w0.508: R49.2 83.45,16.15 JP8.2
Net-(JP11-B): length 4.3
  Bottom w0.508: JP11.2 68.06,87.2 68.05,87.21 69.32,88.48 R57.1
Net-(JP12-B): length 3.3
  Bottom w0.508: 77.2,93.84 80.48,93.84
Net-(JP13-A): length 8.2
  Top w0.508: R56.1 55.86,98.97 JP13.1
Net-(JP14-B): length 3.3
  Bottom w0.203: JP14.2 132.06,96.57 R59.2
Net-(JP15-B): length 3.2
  Bottom w0.203: R60.2 132.36,91.49 JP15.2
Net-(JP16-B): length 3.1
  Bottom w0.203: R61.2 129.48,94.08 JP16.2
Net-(JP17-A): length 2.9
  Top w0.508: JP17.1 94.23,92.17 R63.1
Net-(JP18-A): length 2.9
  Top w0.508: R65.1 110.03,91.66 JP18.1
Net-(JP19-A): length 2.8
  Top w0.508: JP19.1 R66.1
Net-(JP20-A): length 2.8
  Top w0.508: JP20.1 R67.1
Net-(JP21-A): length 2.8
  Top w0.508: R68.1 JP21.1
Net-(JP22-A): length 2.8
  Top w0.508: JP22.1 R69.1
Net-(Q1-G): length 5
  Bottom w0.508: R16.2 120.37,40.48 Q1.1 120.31,38.22 R12.2
Net-(Q2-G): length 6.6
  Bottom w0.508: Q2.1 141.27,20.72 141.41,20.87 141.91,20.87 R17.2 141.66,23.34 R13.2
Net-(Q3-G): length 4.5
  Bottom w0.508: R32.2 52.82,23.93 R36.2 52.87,21.59 Q3.1
Net-(Q4-G): length 4.6
  Bottom w0.508: R33.2 56.9,23.9 R37.2 57.06,21.49 Q4.1
Net-(Q5-G): length 4.6
  Bottom w0.508: R34.2 61.22,24.17 R38.2 61.15,21.83 Q5.1
Net-(Q6-G): length 4.9
  Bottom w0.508: R35.2 65.27,24.44 R39.2 65.07,21.69 Q6.1
Net-(R29-Pad2): length 5.3
  Bottom w0.508: R29.2 157.2,61.01 155.93,59.74 U5.2
Net-(R30-Pad2): length 5.5
  Bottom w0.508: U5.4 R31.2 R30.2
Net-(U2-VCAP_1): length 4.9
  Top w0.2: v1(67.54,52.12) 66.6,53.06 U2.48
  Bottom w0.2: C10.1 68.85,52.12 v1(67.54,52.12)
Net-(U2-VCAP_2): length 4.5
  Top w0.203: v1(61.44,42.47) 61.62,42.3 U2.73
  Bottom w0.203: v1(61.44,42.47) 60.16,43.75 C12.1
Net-(U7-A1): length 3.3
  Bottom w0.203: U7.5 120.46,66.65 R50.1
Net-(U7-A2): length 3.3
  Bottom w0.203: R51.2 117.43,64 U7.4
Net-(U7-B1): length 4.4
  Bottom w0.203: R53.2 126.15,66.86 122.17,66.86 U7.8
Net-(U7-B2): length 4.4
  Bottom w0.203: R54.1 122.46,63.65 U7.1
Net-(U7-OE): length 3.1
  Bottom w0.203: R52.1 121.11,68.15 U7.6
Net-(U9--): length 28.1
  Top w0.203: v1(133.83,88.7) 130.02,88.7 123.33,82.01 R58.2 120.05,82.05 U9.2
  Bottom w0.203: v1(133.83,88.7) 134.56,89.43 R60.1 R61.1 R59.1
Net-(U10-FB): length 9.5
  Top w0.381: v1(35.75,85.77) 35.81,85.83 U10.1 ; 37.11,78.57 R72.1 36.99,81.2 v1(35.75,81.2)
  Bottom w0.381: v1(35.75,85.77) v1(35.75,81.2)
Net-(U11-FB): length 9.8
  Top w0.508: R71.1 R73.1 v1(31.45,65.88) ; U11.1 30.54,70.3 v1(30.44,70.2)
  Bottom w0.508: v1(31.45,65.88) 30.44,66.89 v1(30.44,70.2)

## Copper pours and planes (outline as drawn; the poured copper is in the pictures)
+3.3V on In2.Cu: 48.74,77.78 26.09,77.78 25.63,22.66 154.15,23.17 154.41,63.05 135.87,62.79 135.87,36.63 121.64,36.38 121.9,73.97 180.32,74.48 183.87,117.91 50.01,117.15 48.74,111.56
+5V on In2.Cu: 26.09,77.78 48.74,77.78 48.74,113.34 -1.8,113.34 -2.06,-4.01 180.82,-4.26 180.32,74.48 121.9,73.97 121.64,36.38 135.87,36.63 135.87,62.79 154.41,63.05 154.15,23.17 25.63,22.66
GND on Top, Bottom: -2.56,124.77 192.76,127.31 200.89,-10.87 -16.79,-14.17
GND on In1.Cu: 0,110 175,110 175,0 0,0
GND2 on Top, Bottom, In1.Cu: 54.08,111.05 54.08,77.78 84.81,77.78 84.81,111.56
GND3 on Top, Bottom, In1.Cu: 176,63.05 159.49,62.79 152.12,59.24 121.39,59.24 121.39,53.14 131.8,53.14 131.8,49.58 138.91,49.58 138.91,54.66 175.49,54.66
GND4 on Top, Bottom, In1.Cu: 133.83,110.8 133.83,87.43 131.8,87.43 131.8,77.52 147.04,77.78 150.09,81.33 153.14,84.64 153.14,110.8

## Text on the board
B.Silkscreen: GND
F.Silkscreen: 12V | GND | JTDI | 3.3V | BOOT0 | NRST | SWDIO | SWCLK | JTDO | 120Ω | 3.3k | 1.5k | 10k | HS | LP | SC | 5V ISOLATED | 30k | 15k | 0 | RELAY 1 | ISO IN 1 | GND3 | MOSI | MISO | COM | SCK | NO | RX | NC | TX | + | - | 5V | JP1 | JP2 | 2 | 3 | JP3 | 4 | JP4 | LED1 | LED2 | LED3 | 1 | LED4 | GND2 | JP13 | Z-B | Z | Y | B | A-Y | A | JP12 | H | L | IN1+ | SDA | SCL | IN2+ | OUT+ | GND4 | RIN | TOUT | ISO IN 3 | ISO IN 2 | RELAY 2 | 12V INPUT | USB | SCHEMATIC | LEDs | STM32 | RESET | RELAY OUT 2 | UART1 | SPI2 | ST-LINK | SPI1 | POWER OUT | GPIO | RS422/485 | MOSFET OUT | UART2 | ANALOG | CAN | I2C1 | I2C2 | RELAY OUT 1 | RS232 | v1.0 | UNIVERSAL | INTERFACE | ADAPTER
